# Allegro board WARP7_CPU_REV10_20151109_1600.brd (continued)
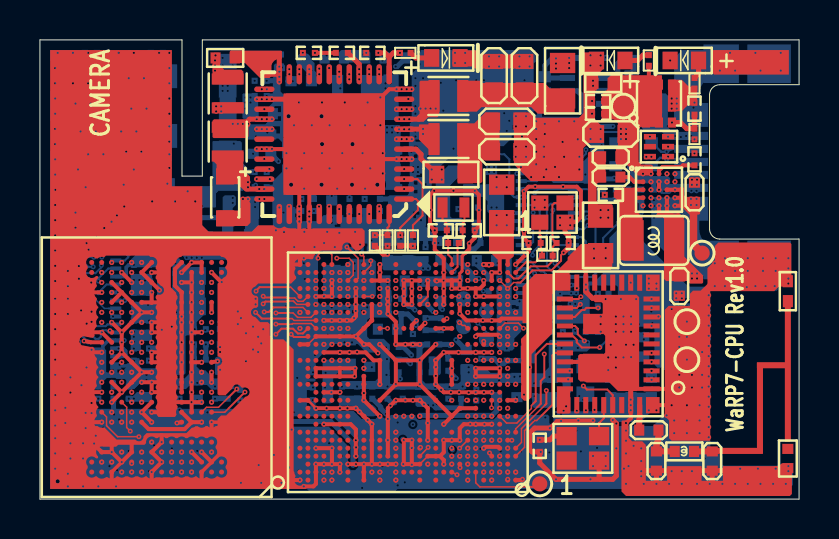
[diagram p0: board, top side]
## Routing (per net, layer and track width the routed paths; a pad name or vN(x,y) marks a point on that pad's centre or on a via; arc(x,y) is an arc through that point) (continued)
MKBUS_ESPI3_MISO: length 46.7
  ART04 w0.076: 24.41,6.25 23.51,6.25 v2(23.41,6.15)
  ART04 w0.102: 24.41,6.25 24.84,6.25 25.35,6.76 25.76,6.76 26.29,7.29 27.02,7.29 28.52,8.8 28.52,11.35 27.3,12.57 27.3,14.43 24.92,16.81 24.92,17.69 24.32,18.29 18.85,18.29 18.26,18.87 16.41,18.87 15.7,19.58 13.92,19.58 13.77,19.43 13.59,19.43 v3(13.31,19.15)
  GND08 w0.102: v3(13.31,19.15) v4(13.06,18.92)
  ART09 w0.102: v4(13.06,18.92) 12.55,18.41 12.55,16.79 11.94,16.18 11.94,14.99 9.91,12.95 9.7,12.95 8,11.25 3.68,11.25 3.23,11.71 v1(3.07,11.71)
  BOTTOM w0.102: J2.19 1.65,11.15 1.82,11.32 2.78,11.32 3.07,11.61 v1(3.07,11.71)
MKBUS_ESPI3_MOSI: length 45.5
  ART04 w0.076: 25.43,6.55 25.4,6.55 24.89,6.05 23.71,6.05 v2(23.41,5.75)
  ART04 w0.102: v3(9.98,18.34) 12.29,18.34 12.9,18.95 12.9,19.33 13.26,19.68 13.67,19.68 13.77,19.79 15.88,19.79 16.54,19.13 18.41,19.13 18.97,18.57 24.42,18.57 25.17,17.81 25.17,16.87 27.51,14.53 27.51,12.67 28.73,11.46 28.73,8.65 27.16,7.09 26.39,7.09 25.86,6.55 25.43,6.55
  GND08 w0.102: v3(9.98,18.34) v4(10.19,18.06)
  ART09 w0.102: v1(4.42,12.27) 4.55,12.4 5.64,12.4 5.99,12.75 7.64,12.75 8.08,13.19 8.08,13.22 8.47,13.61 9.2,13.61 10.19,14.6 10.19,17.04 10.29,17.14 10.29,17.96 v4(10.19,18.06)
  BOTTOM w0.102: v1(4.42,12.27) 4.42,12.12 4.25,11.95 J2.16
MKBUS_ESPI3_SCLK: length 50.8
  ART04 w0.076: v2(23.82,5.75) 24.85,5.75 25.48,6.38 25.91,6.38
  ART04 w0.102: 25.91,6.38 26.01,6.38 26.52,6.88 28.09,6.88 28.32,7.11 28.32,7.9 28.93,8.51 28.93,11.56 27.71,12.78 27.71,14.63 25.37,16.97 25.37,18.19 24.21,19.35 18.82,19.35 18.16,20.02 13.59,20.02 13.51,19.94 v3(12.45,19.94)
  GND08 w0.102: v3(12.45,19.94) v4(12.73,19.74)
  ART09 w0.102: v4(12.73,19.74) 13.34,19.13 13.34,18.67 12.85,18.19 12.85,16.76 12.17,16.08 12.17,14.88 9.98,12.7 9.75,12.7 7.72,10.67 4.5,10.67 4.11,11.05 3.56,11.05 3.17,11.43 2.87,11.43 v1(2.67,11.63)
  BOTTOM w0.102: J2.15 2.1,11.95 2.41,11.63 v1(2.67,11.63)
MKBUS_ESPI3_SS0_B: length 42.1
  ART04 w0.076: v2(23.41,6.55) 23.82,6.5 24.41,6.5
  ART04 w0.102: v3(9.8,17.78) 10.08,17.78 10.39,18.08 12.57,18.08 13.13,18.64 18.06,18.64 18.64,18.06 24.21,18.06 24.69,17.58 24.69,16.74 27.1,14.33 27.1,12.47 28.3,11.28 28.3,8.89 26.9,7.49 26.16,7.49 25.63,6.96 25.25,6.96 24.79,6.5 24.41,6.5
  GND08 w0.102: v4(10.01,17.5) v3(9.8,17.78)
  ART09 w0.102: v4(10.01,17.5) 10.01,17.22 9.93,17.14 9.93,14.63 9.17,13.87 7.92,13.87 7.04,12.98 4.43,12.98 v1(3.79,12.35)
MKBUS_INT: length 24.9
  TOP w0.076: U3.D13 v7(19.43,2.59)
  ART02 w0.076: v7(19.43,2.59) 19.17,2.85 19.17,3.12 19.26,3.2 19.26,3.45 18.87,3.84 17.63,3.84 17.22,3.43 16.43,3.43 16.28,3.58 15.57,3.58 v9(15.37,3.78)
  GND03 w0.076: v9(15.37,3.78) v3(15.37,4.14)
  GND08 w0.076: v3(15.37,4.14) v4(15.37,3.81)
  ART09 w0.102: v1(2.44,11) 2.82,10.62 3.02,10.62 3.21,10.43 3.21,10.3 4.28,9.23 4.79,9.23 5.71,8.31 5.71,6.76 6.2,6.27 11.61,6.27 13.54,4.34 14.48,4.34 15.01,3.81 v4(15.37,3.81)
  BOTTOM w0.102: v1(2.44,11) 2.43,11 2.21,11 1.96,10.75 J2.21
MKBUS_PWM2: length 20.4
  ART02 w0.076: v7(17.82,2.55) 17.44,2.55 16.89,3.1 16.26,3.1 16.13,3.23 14.33,3.23 v9(13.84,3.71)
  GND03 w0.076: v3(13.84,4.06) v9(13.84,3.71)
  GND08 w0.076: v3(13.84,4.06) v4(13.51,4.06)
  ART09 w0.102: v1(2.92,10.34) 2.92,10.26 4.55,8.64 4.95,8.64 5.18,8.41 5.18,6.78 5.89,6.07 11.51,6.07 v4(13.51,4.06)
  BOTTOM w0.102: J2.22 3.33,10.75 v1(2.92,10.34)
MKBUS_RST: length 22.9
  ART02 w0.076: v7(19.05,2.59) 18.87,2.77 18.87,3.1 18.36,3.61 17.63,3.61 17.3,3.28 16.33,3.28 16.21,3.4 15.24,3.4 v9(14.86,3.78)
  GND03 w0.076: v3(14.86,4.14) v9(14.86,3.78)
  GND08 w0.076: v3(14.86,4.14) v4(14.86,4.47)
  ART09 w0.102: v4(14.86,4.47) 14.73,4.6 13.59,4.6 11.71,6.48 6.3,6.48 5.92,6.86 5.92,8.89 5.36,9.45 4.37,9.45 3.45,10.36 3.45,10.49 3.02,10.92 v1(2.92,10.92)
  BOTTOM w0.102: J2.18 3.42,11.55 2.92,11.05 v1(2.92,10.92)
MKBUS_UART5_RXD: length 13.7
  ART02 w0.076: v7(23.01,4.95) 23.01,4.96 23.57,5.51 23.92,5.51 24.08,5.67 24.08,7.14 24.41,7.47
  ART02 w0.102: v9(25.6,9.91) 25.3,9.6 25.3,9.35 25.1,9.14 25.1,8.15 24.41,7.47
  GND03 w0.102: v9(25.6,9.91) v3(25.25,9.58)
  GND08 w0.102: v3(25.25,9.58) 25.25,10.21 25.91,10.87 v6(25.91,11.13)
  BOTTOM w0.102: J3.23 26.17,14.72 26.1,14.79 25.56,14.79 25.37,14.61 25.37,11.66 v6(25.91,11.13)
MKBUS_UART5_TXD: length 12.9
  ART02 w0.076: v7(23.41,4.55) 23.41,5.14 23.63,5.36 24,5.36 24.26,5.61 24.26,6.99 24.41,7.14
  ART02 w0.102: v8(25.4,9.02) 25.4,8.13 24.41,7.14
  ART04 w0.102: v3(25.02,11.68) 24.61,11.28 24.61,10.44 24.89,10.16 24.89,9.22 25.1,9.02 v8(25.4,9.02)
  GND08 w0.102: v6(24.66,12.22) v3(25.02,11.68)
  BOTTOM w0.102: J3.24 24.72,14.72 25.02,14.43 25.02,12.73 24.66,12.37 v6(24.66,12.22)
MX7_ONOFF: length 8.6
  GND03 w0.076: v5(19.01,10.15) v3(19.41,10.31)
  GND08 w0.076: v3(19.41,10.31) v4(19.63,10.57)
  ART09 w0.102: v4(19.63,10.57) 21.23,10.57 21.44,10.77 23.24,10.77 24.36,11.89 25.02,11.89 25.27,12.14 26.49,12.14 v1(26.7,11.92)
NOBAT: length 7.3
  GND03 w0.076: v5(30.59,15.49) v3(30.25,15.6)
  GND08 w0.076: v4(29.9,15.8) v3(30.25,15.6)
  ART09 w0.102: v1(28.96,13.84) 29.21,14.1 29.21,14.81 29.74,15.34 29.74,15.65 v4(29.9,15.8)
  BOTTOM w0.102: v1(28.96,13.84) 28.19,13.08 28.19,11.68 27.63,11.12 J3.5
NTAG_FD_INT: length 17
  ART02 w0.076: v7(17.82,2.95) 18.58,2.18 v9(19.43,2.18)
  GND03 w0.076: v9(19.43,2.18) v3(19.79,2.06)
  GND08 w0.076: v3(19.79,2.06) v4(19.79,2.82)
  ART09 w0.102: v1(26.7,12.32) 26.98,12.04 26.98,11.81 26.71,11.53 25.35,11.53 25.3,11.58 24.61,11.58 23.85,10.82 23.85,10.34 20.22,6.71 20.22,3.25 v4(19.79,2.82)
NVCC_3V15: length 111
  TOP w0.203: U3.P20 U3.N20 v7(16.22,5.31) v7(16.22,4.95) v5(17.01,4.15) ; U3.N9 v5(20.61,6.15) v5(20.61,6.55) U3.T9
  TOP w0.254: X1.4 25.71,3.15 25.53,2.97 v5(25.02,2.97)
  ART02 w0.254: v9(16.64,4.72) v7(16.22,4.95) v7(16.22,5.31)
  GND03 w0.203: v3(25.02,3.3) v5(25.02,2.97)
  GND03 w0.254: v3(31.22,15.47) 31.39,15.64 v5(31.39,15.89) ; v5(16.98,14.66) v5(16.98,14.41) 16.98,14.39 17.16,14.21 v3(17.4,14.03) ; v5(20.61,2.15) v3(20.35,1.93) ; v5(7.59,1.35) 7.25,1.02 6.43,1.02 6.29,1.16 v3(6.12,1.37) 6.46,1.72 v5(6.59,1.85) v5(6.09,2.35) ; v5(4.09,2.35) v3(4.42,2.35) 4.59,2.35 v5(5.09,1.85) ; v5(19.82,4.15) v3(19.53,4.37) v5(19.01,4.15) ; v5(17.01,4.15) v3(17.01,4.57) v9(16.64,4.72) ; v5(11.23,17.04) v3(10.9,17.04)
  POWER06 w0.254: v3(17.4,14.03) 17.35,14.03 16.87,13.54 15.49,13.54 15.04,14 13.11,14 12.34,14.76 12.34,15.24 12.09,15.49 12.09,16.13 12.24,16.28 12.24,16.69 11.89,17.04 v3(10.9,17.04)
  POWER06 w0.381: v3(31.22,15.47) 31.46,15.28 31.69,15.05 31.69,13.98 33.35,12.32 33.35,9.42 31.85,7.92 31.85,5.84 30.18,4.17 25.88,4.17 v3(25.02,3.3) 24.56,2.84 21.18,2.84 21.01,2.67 21.01,2.31 20.62,1.93 v3(20.35,1.93) ; v3(4.42,2.35) 4.42,3.89 4.8,4.27 7.95,4.27 8.33,3.89 8.33,3.43 8.69,3.07 11.18,3.07 11.68,3.58 16.54,3.58 17.01,4.06 v3(17.01,4.57)
  POWER07 w0.381: v3(6.12,1.37) 5.14,2.35 v3(4.42,2.35) 4.39,2.38 4.39,4.98 v10(4.45,5.03) v10(4.7,5.03) ; v3(19.53,4.37) 19.08,3.91 17.4,3.91 17.01,4.3 v3(17.01,4.57)
  POWER07 w0.508: 21.11,5.61 21.84,5.61 22.17,5.28 22.17,3.84 22.71,3.3 v3(25.02,3.3)
  GND08 w0.254: v3(31.22,15.47) v4(30.89,15.39) ; v6(17.02,14.43) v3(17.4,14.03) ; v6(10.67,17.3) v3(10.9,17.04)
  ART09 w0.254: v1(21.08,4.57) 21.08,4.71 v1(21.84,5.47) 22.53,6.16 22.53,7.37 24.03,8.86 24.74,8.86 25.02,8.59 v1(25.02,8.38) ; v4(30.89,15.39) 30.63,15.39 30.4,15.16 30.4,14.66 v1(30.1,14.35)
  ART09 w0.381: v6(16.79,4.29) 16.66,4.42 v6(16.66,4.52) 16.66,5.99 16.05,6.6 16.05,8.66 15.9,8.81 15.9,10.08 15.29,10.69 15.29,13.67 16.06,14.43 v6(17.02,14.43) 17.75,15.16 20.1,15.16 v1(22.21,17.27)
  BOTTOM w0.254: R31.2 R30.2 v1(25.02,8.38) ; R28.2 R12.2 R11.2 R13.2 v1(30.1,14.35) ; v6(19.68,4.7) 19.81,4.57 v1(21.08,4.57) C99.1
  vias: v3(20.19,6.35) v3(20.95,6.53) v6(19.43,4.7) v6(19.89,6.63) v6(19.86,6.35)
NVCC_DRAM: length 49.9
  TOP w0.076: 7.09,5.85 U4.K5 ; U3.V27 U3.W26
  TOP w0.203: v5(5.59,6.35) v5(5.09,6.35) ; v5(5.09,6.35) 4.7,5.96 U4.K10 v5(4.09,5.35) ; v5(5.09,6.35) U4.M10 v5(4.09,7.35) ; U4.AB5 6.76,11.52 6.76,10.69 U4.W5 U4.V5 U4.U5 v5(7.09,9.14) v5(7.09,8.85) v5(7.09,8.35) v5(7.09,7.85) v5(7.09,7.35) v5(7.09,6.85) U4.L5 U4.K5 ; v5(4.09,8.35) v5(4.09,7.85) v5(4.09,7.35) ; v5(4.09,8.35) U4.T10 v5(5.09,9.35) ; v5(4.09,8.35) v5(3.59,8.85) ; U3.AC19 U3.AA19 16.43,8.76 16.43,8.76 U3.Y20 16.21,8.55 v7(15.82,8.15) ; U4.F5 v5(6.86,3.81) ; v5(5.59,3.85) v5(5.09,4.35) U4.H8 ; v5(5.98,10.46) U4.Y8 U4.AA9 U4.AB8 ; U3.AF18 v5(17.01,11.35) v5(17.01,11.75) ; U3.AF18 v5(17.42,10.95) ; U3.AF18 U3.AF19 ; U4.M12 v5(4.09,7.35) ; v5(4.09,5.35) v5(3.59,4.85) ; v5(4.09,5.35) U4.K12 ; v5(5.09,9.35) U4.V10 U4.W11 ; v5(5.09,9.35) v5(5.59,9.35) ; U3.W26 U3.W23 v7(15.82,8.15) ; U4.J5 7.09,5.85 ; U3.V27 U3.V28 ; v7(15.82,8.15) v7(16.22,7.75) 16.48,7.75 v5(16.92,7.32) ; U4.W11 U4.Y12 ; U4.W11 U4.V12 ; U4.V2 v5(8.59,9.35) ; v5(8.59,6.35) v5(8.59,5.85)
  TOP w0.254: v5(11.98,21.41) v5(11.98,21.66) 11.98,22.07 ; U2.24 11.41,21.28
  ART02 w0.254: v9(19.05,7.37) 19,7.32 v5(16.92,7.32) v7(16.22,7.75) v7(15.82,8.15)
  GND03 w0.203: v9(19.05,7.37) v3(19.41,7.24)
  GND03 w0.254: v5(5.09,4.35) v5(5.59,3.85) v3(5.97,3.68) v3(6.48,3.68) v5(6.86,3.81) ; v5(5.09,6.35) v5(5.59,6.35) 5.84,6.6 v3(5.84,6.73) ; v5(5.09,9.35) v5(5.59,9.35) 5.65,9.35 v3(5.89,9.6) ; v5(16.92,7.32) v3(16.62,7.14) ; v3(8.97,6.43) 8.74,6.38 v5(8.59,6.35) v5(8.59,5.85) ; v5(5.98,10.46) v3(6.32,10.46) ; v3(8.97,9.47) v5(8.59,9.35) v3(8.51,8.89) v3(8.05,8.89) ; v5(8.59,7.35) v3(8.94,7.37) ; v5(3.59,8.85) v5(4.09,8.35) v3(3.86,8.1) v5(4.09,7.85) ; 6.6,8 5.74,8 v5(5.59,7.85) ; v5(4.09,7.35) v3(4.42,7.35) ; v5(4.09,5.35) v3(3.68,5.46) v5(3.59,4.85)
  GND08 w0.254: v6(3.68,5.84) v3(3.68,5.46) ; v3(5.84,6.73) v6(5.46,6.94) ; v3(8.94,7.37) v6(8.3,7.75)
  BOTTOM w0.254: C133.1 v6(3.68,5.84) ; v6(8.3,7.75) C148.1
  vias: v3(6.73,9.02) v3(6.73,8.26) v3(6.73,7.49) v3(6.73,6.73) v3(11.63,21.95) v3(11.63,21.53) v3(17.42,11.71) v3(17.42,11.3) v5(11.98,21.15) v5(11.98,20.9) v6(11.3,21.67) v6(15.75,11.81) v6(15.75,11.43) v6(16.13,11.81) v6(16.13,11.43) v6(16.51,11.81) v6(16.51,11.43) v10(4.7,10.97) v10(4.7,8.38) v10(4.7,8.13) v10(4.7,7.87) v10(4.7,7.54) v10(4.98,10.97) v10(5.26,10.95) v10(5.54,10.97) v10(6.22,5.03) v10(6.78,11.81) v10(6.78,10.97) v10(6.78,9.7) v10(6.81,9.35) v10(6.78,8.64) v10(6.99,5.03) v10(7.11,8.26) v10(7.11,7.85) v10(7.11,7.49) v10(7.11,7.11) v10(7.11,6.73) v10(7.62,9.91) v10(7.62,9.4) v10(7.75,8.51) v10(8,9.91) v10(8,9.4)
NVCC_SD2: length 26.1
  GND03 w0.254: v5(20.61,4.95) v3(20.93,5.05) ; v5(11.49,16.53) v3(11.81,16.51)
  POWER07 w0.254: v3(11.81,16.51) 11.81,15.8 12.34,15.27 12.34,14.22 12.83,13.74 12.83,4.19 13.59,3.43 17.12,3.43 17.65,2.9 19.81,2.9 20.93,4.01 v3(20.93,5.05)
  GND08 w0.254: v6(20.83,6.05) 20.83,5.16 v3(20.93,5.05) ; v6(11.94,16.92) v3(11.81,16.51)
  BOTTOM w0.254: C86.1 20.83,6.05 v6(20.83,6.05) ; C32.1 v6(11.94,16.92)
OVRPRTC: length 3.4
  BOTTOM w0.254: R7.2 R8.2 27.8,21.73 27.43,21.36 27.43,20.57 27.56,20.45 Q2.2
PCM_CLK: length 15.8
  TOP w0.076: U3.D4 v2(22.5,2.31)
  ART02 w0.102: v8(30.63,4.95) 31.24,4.95 31.67,5.38 31.67,8.97 v7(30.62,10.02)
  ART04 w0.076: 26.57,2.67 23.9,2.67 23.39,2.16 22.66,2.16 v2(22.5,2.31)
  ART04 w0.102: v8(30.63,4.95) 28.35,2.67 26.57,2.67
PCM_IN: length 15.5
  ART02 w0.102: v8(31.14,5.33) 31.47,5.66 31.47,8.64 v7(30.96,9.14)
  ART04 w0.076: v2(21.82,2.15) 21.98,2.15 22.3,1.83 23.55,1.83 23.95,2.24 26.57,2.24
  ART04 w0.102: v8(31.14,5.33) 31.14,4.67 28.7,2.24 26.57,2.24
PCM_OUT: length 15.7
  ART02 w0.102: v8(31.19,5.84) 31.19,8.51 30.62,9.08 v7(30.62,9.57)
  ART04 w0.076: v2(21.82,2.55) 22.38,1.98 23.47,1.98 23.95,2.46 26.57,2.46
  ART04 w0.102: v8(31.19,5.84) 30.86,5.51 30.86,5.21 30.91,5.16 30.91,4.83 28.55,2.46 26.57,2.46
PCM_SYNC: length 13.9
  ART02 w0.102: v7(30.62,8.67) 30.91,8.38 30.91,5.66 v8(30.58,5.33)
  ART04 w0.076: 26.57,2.88 23.86,2.88 23.29,2.31 22.91,2.31 22.56,2.67 22.1,2.67 v2(21.82,2.95)
  ART04 w0.102: 26.57,2.88 28.13,2.88 v8(30.58,5.33)
PERI_3V15: length 72.7
  TOP w0.203: v5(7.59,2.35) U4.B3
  GND03 w0.203: v5(7.59,2.35) 7.59,3.3 v3(7.29,3.61)
  GND03 w0.254: v5(5.59,2.85) v3(5.08,3.68) ; v3(3.1,2.21) v5(3.09,1.85) v5(3.59,1.85)
  POWER06 w0.508: v3(5.08,3.68) 5.08,2.06 4.8,1.78 3.53,1.78 v3(3.1,2.21) 2.84,2.46 2.84,4.57 0.97,6.45 0.97,11 3.68,13.72 3.68,15.11 v3(3.94,15.37) 4.24,15.37 4.65,15.77 4.65,21.13 v3(5.54,22.02) ; v3(30.23,7.62) 29.92,7.92 27.64,7.92 26.5,6.79 25.97,6.79 24.77,5.59 24.77,4.45 23.7,3.38 22.23,3.38 21.95,3.66 19.25,3.66 18.97,3.94 17.91,3.94 16.94,2.97 12.06,2.97 11.56,2.46 8.23,2.46 7.29,3.4 v3(7.29,3.61)
  POWER07 w0.356: v3(7.29,3.61) 7.29,4.37 v10(7.87,4.95)
  POWER07 w0.381: v3(5.08,3.68) 5.74,3.02 6.71,3.02 v3(7.29,3.61) ; v10(2.92,5.03) 2.92,2.39 v3(3.1,2.21)
  GND08 w0.254: v3(3.94,15.37) 3.74,15.17 v6(3.74,14.75) v6(3.74,14.35) ; v6(5.54,22.35) v3(5.54,22.02)
  GND08 w0.508: v3(30.23,7.62) v6(30.23,8) v6(30.23,8.26)
  BOTTOM w0.178: D8.2 v6(5.54,22.35) ; J2.1 v6(3.74,14.75) ; v6(3.74,14.35) J2.3
PMIC_5V0: length 1.9
  GND03 w0.254: v5(11.99,14.61) v3(11.91,14.94)
  GND08 w0.254: v6(10.77,14.88) v6(10.77,14.63) 11.61,14.63 v3(11.91,14.94)
  vias: v3(1.57,8.66) v3(8.89,16.46) v6(1.45,8.33) v6(1.45,7.95) v7(10.16,15.03) v7(10.41,15.03) v9(8.97,16.05) v9(9.19,16.26)
PMIC_INT_B: length 9.3
  TOP w0.076: v2(21.01,8.84) 21.15,8.7 21.27,8.7 U3.Y7
  TOP w0.102: v2(18.03,13.22) 18.03,13.59 18.92,14.48 18.92,14.94 18.83,15.03 U2.1
  ART04 w0.076: v2(21.01,8.84) 20.88,8.84 20.73,8.99 20.4,8.99 20.04,9.35
  ART04 w0.102: v2(18.03,13.22) 18.29,12.97 18.29,11.61 19,10.9 19,10.24 19.68,9.55 19.84,9.55 20.04,9.35
PMIC_ON_REQ: length 6.1
  TOP w0.102: U2.48 17.48,13.67 17.4,13.59 R20.2 v7(16.76,13.22)
  ART02 w0.076: 16.76,12.37 16.76,12.32 17.07,12.01 18.34,12.01 19.01,11.34 v7(19.01,10.55)
  ART02 w0.102: 16.76,12.37 v7(16.76,13.22)
PMIC_PWR: length 21.6
  TOP w0.203: 31.39,14.27 v7(31.39,14.69) v7(31.39,15.09) ; v7(30.99,14.69) 30.99,14.22
  TOP w0.254: v5(18.02,22.35) 17.69,22.35 17.48,22.14 ; 17.48,22.14 U2.13 ; 17.48,22.14 17.27,22.35 v5(16.94,22.35) ; v5(11.1,19.03) v5(10.85,19.03) 10.5,19.03 10.31,18.85
  GND03 w0.254: v5(14.48,14.66) v3(14.35,14.99) ; v5(16.94,22.35) v3(17.65,22.25) v5(18.02,22.35) ; v5(13.48,21.28) v5(13.48,21.53) v3(13.48,21.89) v5(13.16,22.35) ; v5(14.98,21.15) v5(14.98,21.41) v3(15.37,21.89) ; v5(12.47,14.66) v3(12.78,15.09) ; v3(25.98,5.87) 25.98,6.1 26.31,6.43 v5(26.52,6.43)
  POWER06 w0.381: v3(25.98,5.87) 26.39,5.46 30.23,5.46 v3(31.09,6.32) 31.14,6.38 31.14,11.33
  GND08 w0.254: v6(13.59,21.46) v3(13.48,21.89) v6(13.13,22.02) ; v6(14.61,15.19) v3(14.35,14.99) ; v6(13.11,15.03) v3(12.78,15.09)
  BOTTOM w0.254: C34.1 v6(14.61,15.19)
  vias: v1(24.1,17.92) v1(24.1,17.52) v1(26.7,17.92) v1(26.7,17.52) v3(9.42,19.18) v3(9.86,19.18) v3(10.29,19.18) v3(17.04,19.53) v3(17.02,18.03) v3(17.48,19.53) v3(17.53,18.03) v3(26.42,18.41) v3(27.05,18.41) v3(32.84,12.04) v3(32.84,11.63) v4(26.47,18.8) v4(26.72,18.8) v4(26.72,18.54) v4(27,18.8) v5(9.65,18.8) v5(9.91,18.8) v5(10.16,18.8) v5(10.41,18.8) v5(11.36,19.03) v5(11.61,19.03) v5(17.85,19.53) v5(17.85,18.03) v5(18.11,19.53) v5(18.11,18.03) v5(18.36,19.53) v5(18.36,18.03) v5(18.61,19.53) v5(18.61,18.03) v5(32.64,11.3) v5(32.64,11.05) v5(32.89,11.3) v5(32.89,11.05) v6(10.29,20.12) v6(10.29,19.86) v6(10.29,19.56) v6(10.54,20.12) v6(10.54,19.86) v6(17.37,18.62) v6(17.37,18.36) v6(17.63,18.62) v6(17.63,18.36) v6(17.91,18.62) v6(17.91,18.36) v6(30.48,6.1) v6(30.73,6.1)
PMIC_PWRON: length 11.6
  ART02 w0.102: v7(17.4,12.69) 17.68,12.97 17.68,13.69 v9(17.91,13.92)
  GND03 w0.102: v9(17.91,13.92) v3(18.34,13.97)
  GND08 w0.102: v3(18.34,13.97) v4(18.67,14.07)
  ART09 w0.102: v1(26.7,15.12) 26.7,14.82 25.88,14 24.05,14 23.67,13.61 21.82,13.61 21.21,14.22 20.19,14.22 19.94,14.48 19.08,14.48 v4(18.67,14.07)
PMIC_SD_VSEL: length 23.5
  ART02 w0.076: v7(23.41,2.55) 23.63,2.55 23.88,2.79 23.88,3.35 24.28,3.76 24.28,4.22 25.1,5.03 25.1,5.71 25.3,5.92
  ART02 w0.102: 25.3,5.92 26.57,7.19 26.57,8.76 26.67,8.86 v8(26.67,9.14)
  ART04 w0.102: v8(26.67,9.14) 26.67,9.65 26.75,9.73 26.75,10.15 26.09,10.81 26.09,13.82 23.01,16.89 18.64,16.89 17.93,16.18 17.93,15.83 v2(18.23,15.53)
PMIC_STBY_REQ: length 7.4
  ART02 w0.102: v7(18.23,16.53) 17.83,16.13 v8(17.83,14.33)
  ART04 w0.102: v2(19.82,10.15) 19.82,10.49 18.57,11.73 18.57,13.18 17.83,13.92 v8(17.83,14.33)
PMIC_VCORE: length 1
  GND03 w0.254: v5(13.97,14.66) v3(13.72,14.99)
  GND08 w0.254: v6(13.72,14.43) v3(13.72,14.99)
PMIC_VCOREREF: length 1.1
  GND03 w0.254: v5(15.48,14.28) v3(15.98,14.78)
  GND08 w0.254: v3(15.98,14.78) 15.98,14.88 16,14.91 v6(16.26,15.03)
POR_B: length 21.8
  TOP w0.076: v2(24.21,8.56) 23.95,8.81 23.28,8.81 U3.Y3
  TOP w0.102: v2(18.23,16.03) 18.9,16.03 19.15,15.77 19.15,14.2 18.67,13.72 R18.1
  ART04 w0.102: v2(24.21,8.56) 24.44,8.56 24.66,8.78 24.66,10.08 24.41,10.34 24.41,11.58 24.77,11.94 v3(25.12,12.24) 25.12,12.45 24.92,12.65 24.92,14.61 23.3,16.23 22.36,16.23 21.62,15.49 18.77,15.49 v2(18.23,16.03)
  GND08 w0.102: v6(25.78,11.81) v3(25.12,12.24)
  BOTTOM w0.102: J3.7 26.07,11.52 v6(25.78,11.81)
PSU_5V0: length 0.5
  TOP w0.203: R2.2 30.48,21.18
  vias: v7(29.08,18.54) v7(29.08,18.29) v7(29.08,18.03) v7(29.34,18.54) v7(29.34,18.29) v7(29.34,18.03) v7(30.2,16.61) v7(30.19,16.29) v7(30.58,16.61) v7(30.59,16.29)
PWR_LED: length 1.3
  TOP w0.254: R2.1 30.19,22.24 29.92,21.97 D3.1
PWR_OV_BASE: length 1.7
  BOTTOM w0.254: R4.2 28.93,21.83 28.93,21.29 28.74,21.1 Q2.1
PWR_OV_CTL: length 2.1
  BOTTOM w0.254: R4.1 29.73,21.49 D1.2 29.71,20.98 30.09,20.98 R1.1
RTC_XTALI: length 3.5
  TOP w0.102: U3.AG9 20.9,11.64 20.9,12.76 R26.1 21.16,13.02 C84.1 21.16,13.82 21.25,13.91 Y1.1
RTC_XTALO: length 3
  TOP w0.102: U3.AH9 20.61,12.06 20.43,12.25 R26.2 20.43,13.14 20.37,13.21 C83.1 20.37,13.79 20.15,14.01 Y1.2
SD1_CLK: length 11
  ART02 w0.076: 25.63,5.94 25.63,5.31 24.46,4.14 24.46,3.71 24.03,3.28 24.03,2.62 23.37,1.96 23.37,1.7 v7(23.01,1.35)
  ART02 w0.102: v7(26.87,10.57) 26.77,10.46 26.77,9.47 27.03,9.22 27.03,8.79 26.77,8.53 26.77,7.09 25.63,5.94
SD1_CMD: length 13.5
  TOP w0.102: v5(27.08,10.13) 26.96,10.02 U5.22
  ART02 w0.076: v7(23.42,0.99) 23.52,1.09 23.9,1.09 24.08,1.27 24.08,1.83 24.49,2.24 24.49,3.02 24.94,3.48 24.94,3.86 26.24,5.16 26.57,5.16
  ART02 w0.102: v5(27.08,10.13) 27.53,9.68 27.53,5.6 27.09,5.16 26.57,5.16
  GND03 w0.102: v5(27.08,10.13) v3(27.53,10.36)
  GND08 w0.102: v6(27.93,10.29) v3(27.53,10.36)
SD1_DATA0: length 15.7
  TOP w0.102: U5.24 26.78,9.12 27.13,9.47 27.25,9.47 27.36,9.58 v5(27.94,9.58)
  ART02 w0.076: 26.57,4.95 26.26,4.95 25.1,3.78 25.1,3.4 24.64,2.95 24.64,2.08 24.49,1.93 24.49,0.89 24.33,0.74 23.23,0.74 v7(22.61,1.35)
  ART02 w0.102: v5(27.94,9.58) 27.74,9.37 27.74,5.46 27.23,4.95 26.57,4.95
  GND03 w0.102: v5(27.94,9.58) v3(27.53,9.22)
  GND08 w0.102: v6(27.93,9.02) v3(27.53,9.22)
SD1_DATA1: length 14.9
  TOP w0.102: v5(28.02,7.59) 27.13,7.59 26.87,7.85 26.87,7.98 26.63,8.22 U5.26
  ART02 w0.076: 26.57,4.52 26.57,4.42 26.31,4.17 25.7,4.17 25.27,3.73 25.27,2.88 25.1,2.71 25.07,2.71 24.79,2.42 24.79,0.94 24.41,0.56 23.01,0.56 v7(22.61,0.95)
  ART02 w0.102: 26.57,4.52 26.77,4.72 27.33,4.72 28.02,5.41 v5(28.02,7.59)
  GND03 w0.102: v5(28.02,7.59) v3(27.97,7.26)
  GND08 w0.102: v3(27.97,7.26) v6(28.04,7.62)
  BOTTOM w0.102: v6(28.04,7.62) 28.46,8.04 R45.1
SD1_DATA2: length 12
  TOP w0.102: v5(27.05,9.75) 26.87,9.57 U5.23
  ART02 w0.076: v7(23.41,1.35) 23.57,1.51 23.57,1.93 24.18,2.54 24.18,3.17 24.64,3.63 24.64,4.09 26.19,5.64 26.47,5.64 26.57,5.74
  ART02 w0.102: 26.57,5.74 26.97,6.15 26.97,8.2 27.25,8.48 27.25,9.55 v5(27.05,9.75)
  GND03 w0.102: v5(27.05,9.75) v3(27.53,9.8)
  GND08 w0.102: v6(27.93,9.65) v3(27.53,9.8)
SD1_DATA3: length 10.6
  TOP w0.102: U5.25 26.79,8.67 26.92,8.53 26.92,8.26 v5(27.25,7.92)
  ART02 w0.076: v7(23.82,1.35) 23.82,1.84 24.33,2.36 24.33,3.1 24.79,3.56 24.79,3.95 26.25,5.41 26.54,5.41 26.57,5.44
  ART02 w0.102: v5(27.25,7.92) 27.25,6.12 26.57,5.44
  GND03 w0.102: v5(27.25,7.92) v3(26.7,8.08)
  GND08 w0.102: v6(26.8,8.43) v3(26.7,8.08)
SD3_CLK: length 17.7
  ART04 w0.076: v2(5.59,1.85) 5.61,1.87 6.72,1.87 6.98,1.6 7.72,1.6 7.92,1.4 12.27,1.4 13.54,2.67 14.99,2.67 15.37,3.05 16.87,3.05 16.93,3.11 17.76,3.11 17.96,2.91 19.01,2.91 19.66,3.56 20.52,3.56 21.03,4.06 21.73,4.06 v2(21.82,4.15)
SD3_CMD: length 21.2
  TOP w0.076: U3.L4 v2(22.61,4.57)
  ART04 w0.076: v2(22.61,4.57) 23.01,4.17 v3(23.01,3.96) 22.76,3.71 21.43,3.71 21.16,3.43 21.16,3.27 20.99,3.1 19.89,3.1 19.24,2.45 17.74,2.45 17.54,2.65 17.21,2.65 17.04,2.49 16.18,2.49 15.85,2.16 13.79,2.16 12.5,0.86 7.06,0.86 arc(6.97,0.88) 6.89,0.94 6.64,1.19 arc(6.6,1.24) 6.59,1.29 v2(6.59,1.35)
  GND08 w0.254: v3(23.01,3.96) v4(22.68,3.96)
  ART09 w0.254: v4(22.68,3.96) 22.33,3.96 21.84,4.45 v1(21.84,4.94)
SD3_DATA0: length 18.5
  ART04 w0.076: v2(5.09,1.35) 5.73,0.71 6.58,0.71 6.78,0.51 12.75,0.51 13.28,1.04 13.28,1.17 13.91,1.79 15.91,1.79 16.07,1.64 18.99,1.64 arc(19.09,1.66) 19.18,1.72 19.46,1.99 19.46,2.18 20.07,2.79 21.26,2.79 v2(21.82,3.35)
SD3_DATA1: length 18.6
  ART04 w0.076: v2(21.41,3.35) 21.41,3.31 21.05,2.95 20.01,2.95 19.28,2.21 19.28,2.03 19.13,1.88 arc(19.03,1.81) 18.92,1.79 16.14,1.79 15.99,1.94 13.83,1.94 12.57,0.69 6.88,0.69 6.62,0.95 5.88,0.95 5.05,1.78 v2(4.59,1.78)
SD3_DATA2: length 16.3
  ART04 w0.076: v2(6.59,2.35) 6.7,2.46 8.1,2.46 8.46,2.11 11.96,2.11 13.13,3.28 14.33,3.28 14.71,3.66 16.54,3.66 16.74,3.86 17.73,3.86 17.88,4.01 19,4.01 19.2,4.22 19.2,4.52 19.41,4.72 21.13,4.72 v2(21.36,4.95)
SD3_DATA3: length 16.5
  ART02 w0.076: v7(21.82,4.95) v8(21.82,4.67)
  ART04 w0.076: v8(21.82,4.67) 21.69,4.67 21.44,4.42 20.93,4.42 20.37,3.86 19.51,3.86 19.35,3.71 18.03,3.71 17.86,3.53 16.87,3.53 16.69,3.35 15.01,3.35 14.63,2.97 13.34,2.97 12.12,1.75 8.2,1.75 7.86,2.1 7.33,2.1 v2(7.09,1.85)
SD3_DATA4: length 18.8
  ART04 w0.076: v2(22.22,4.95) 21.74,4.95 21.36,4.57 20.07,4.57 19.86,4.37 19.86,4.25 19.64,4.03 19.34,4.03 19.18,3.86 17.96,3.86 17.78,3.68 16.79,3.68 16.61,3.51 14.88,3.51 14.5,3.12 13.23,3.12 12.04,1.93 8.33,1.93 7.99,2.27 6.9,2.27 6.74,2.11 5.33,2.11 v2(5.09,2.35)
SD3_DATA5: length 19.7
  ART02 w0.102: v8(20.9,3.35) v7(21.41,4.15)
  ART04 w0.076: v8(20.9,3.35) 20.68,3.25 19.81,3.25 19.17,2.61 17.8,2.61 17.6,2.81 17.11,2.81 16.94,2.69 16.18,2.69 15.29,2.36 13.74,2.36 12.42,1.04 7.15,1.04 arc(7.07,1.06) 7,1.11 6.9,1.21 arc(6.86,1.26) 6.85,1.32 6.85,1.35 arc(6.83,1.45) 6.78,1.53 arc(6.6,1.65) 6.39,1.69 6.1,1.69 arc(5.97,1.68) 5.84,1.66 arc(5.73,1.62) 5.61,1.61 5.57,1.61 arc(5.48,1.63) 5.41,1.68 5.19,1.89 arc(5.04,2) 4.86,2.03 4.6,2.03 arc(4.5,2.01) 4.42,1.96 arc(4.37,1.88) 4.35,1.78 4.35,1.73 arc(4.42,1.51) v2(4.59,1.35)
SD3_DATA6: length 16.6
  ART04 w0.076: v2(7.09,1.35) 7.36,1.35 7.49,1.22 12.34,1.22 13.64,2.51 15.19,2.51 15.54,2.87 16.92,2.87 17.01,2.96 17.7,2.96 17.9,2.76 19.09,2.76 19.74,3.4 20.6,3.4 21.08,3.89 21.95,3.89 v2(22.22,4.15)
SD3_DATA7: length 16.6
  ART04 w0.076: v2(7.59,1.85) 7.8,1.85 8.08,1.57 12.19,1.57 13.44,2.82 14.78,2.82 15.16,3.2 16.79,3.2 16.85,3.26 17.82,3.26 18.02,3.06 18.94,3.06 19.58,3.71 20.45,3.71 21.01,4.27 21.56,4.27 21.69,4.39 22.37,4.39 v2(22.61,4.15)
SD3_RESET_B: length 16.8
  ART04 w0.076: v2(8.59,2.35) 11.96,2.35 13.03,3.43 14.15,3.43 14.53,3.81 16.46,3.81 16.69,4.04 17.68,4.04 17.81,4.17 18.84,4.17 19.05,4.38 19.05,4.62 19.84,5.41 21.25,5.41 21.46,5.19 22.37,5.19 v2(23.41,4.15)
SENSOR_INT_B: length 61.1
  TOP w0.076: v2(21.01,2.55) 21.41,2.95 U3.F7
  ART04 w0.076: v2(21.01,2.55) 20.98,2.36 20.98,1.98 21.36,1.6 21.79,1.6 22.02,1.37 23.93,1.37 24.09,1.54
  ART04 w0.102: v3(9.45,18.34) 9.88,18.77 10.82,18.77 11.42,19.37 11.42,20.49 12.47,21.54 14.61,21.54 14.78,21.36 16.76,21.36 17.17,20.95 18.54,20.95 19.3,20.19 27.21,20.19 28.73,18.68 28.73,17.51 29.14,17.09 29.52,17.09 30.81,15.81 30.81,14.45 31.29,13.97 31.29,12.93 31.45,12.78 31.45,8.76 31.88,8.33 31.88,4.51 28.99,1.63 24.18,1.63 24.09,1.54
  GND08 w0.102: v4(9.37,18.01) v3(9.45,18.34)
  ART09 w0.102: v4(9.37,18.01) 9.37,15.56 8.22,14.4 7.72,14.4 6.83,13.51 4.16,13.51 v1(3.79,13.15)
SW1ALX: length 0.8
  TOP w0.254: U2.8 19.04,18.53
  vias: v7(17.98,18.52) v7(18.23,18.52) v7(18.49,18.52) v7(19.18,18.54) v7(19.18,18.29)
SW1BLX: length 0.7
  TOP w0.254: v7(18.23,19.03) v7(18.49,19.03) 18.98,19.03
  vias: v7(17.98,19.03) v7(19.05,19.56) v7(19.3,19.56) v7(19.56,19.56) v7(19.81,19.56)
SW2_1V8: length 55.4
  TOP w0.254: v5(15.98,21.28) v5(15.98,21.53) 15.98,21.79 C15.1 ; R17.2 v5(18.67,12.69) ; U3.AH4 v5(22.48,11.73) v5(22.22,11.75)
  GND03 w0.254: v5(20.61,7.75) v3(20.83,7.49) ; v5(14.48,21.59) v3(14.73,21.89) ; v5(18.67,12.69) v3(18.92,12.93)
  POWER06 w0.508: 9.96,14.83 8.59,13.46 6.56,13.46 3.15,10.05 3.15,7.09 2.72,6.65 2.01,6.65 1.73,6.93 v3(1.73,7.34) ; v3(18.92,12.93) 18.24,12.24 15.06,12.24 14.48,12.83 12.4,12.83 10.36,14.86
  POWER07 w0.254: v3(22.38,12.09) 21.97,11.68 21.97,10.34 22.33,9.98 22.33,8.43 21.39,7.49 v3(20.83,7.49)